# KiCad board msf-owl-clock.kicad_pcb (continued)
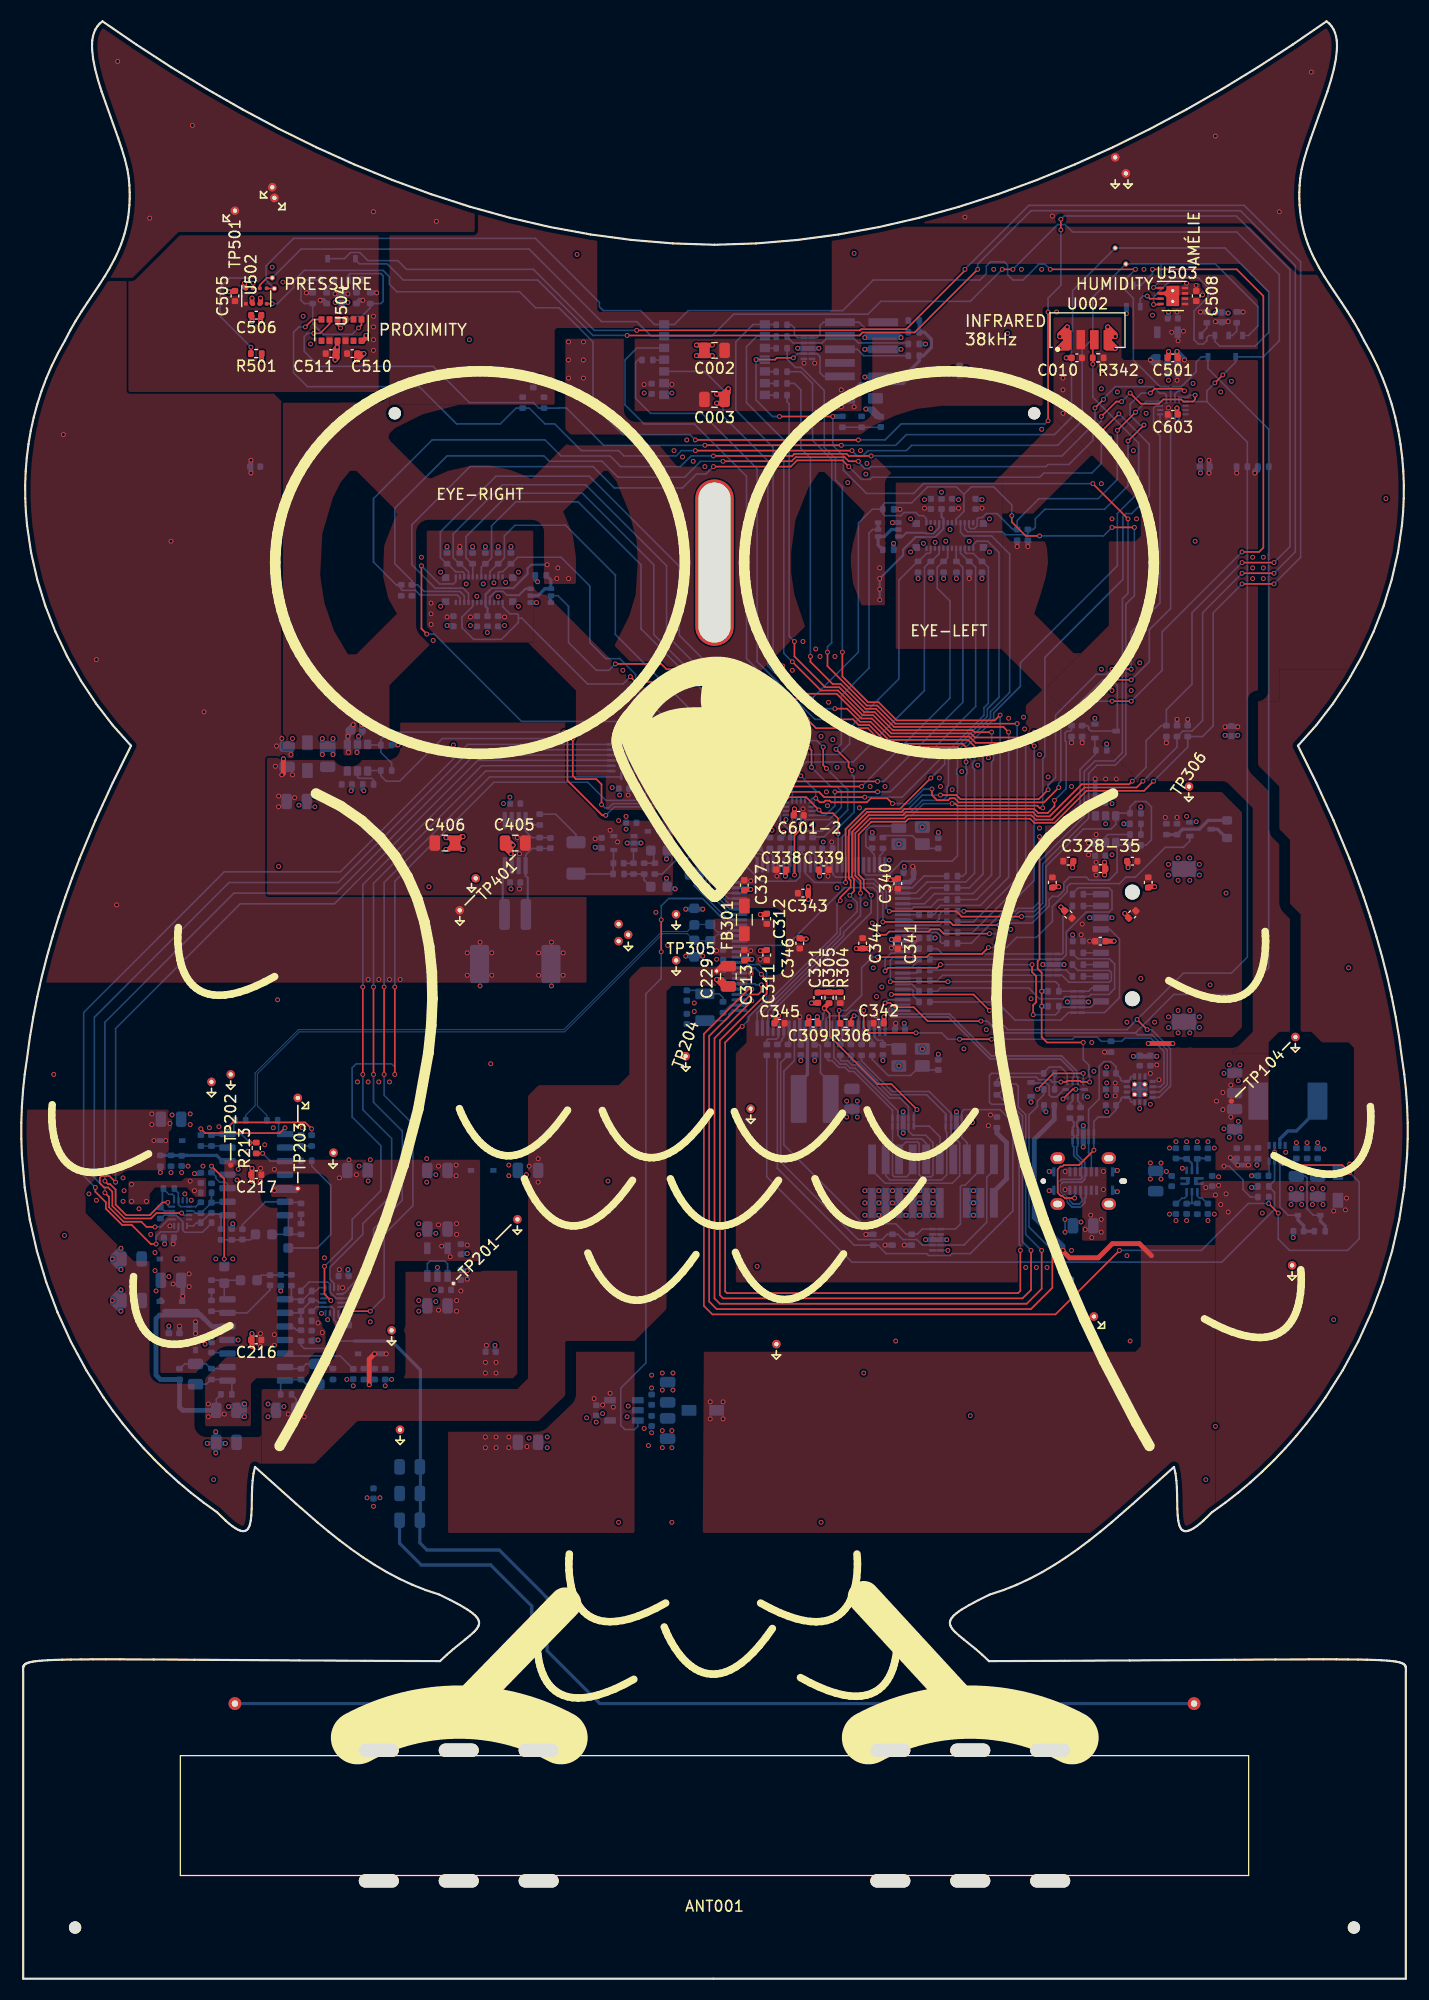
[diagram p0: board, top side]
## Placement (name value [footprint] x y rotation side) (continued)
R301  10kΩ  [nominal-0402-1005]  79.94 69.3 90 bottom
R302  10kΩ  [nominal-0402-1005]  81.74 69.3 270 bottom
R303  10kΩ  [nominal-0402-1005]  83.54 69.3 270 bottom
R304  10kΩ  [nominal-0402-1005]  76.84 92 90 top
R305  1kΩ  [nominal-0402-1005]  75.79 92 270 top
R306  1kΩ  [nominal-0402-1005]  77.34 89.6 180 top
R307  0Ω  [nominal-0402-1005]  80.84 106.5 90 bottom
R308  DNP  [nominal-0402-1005]  79.84 87.1 270 bottom
R309  0Ω  [nominal-0402-1005]  65.84 91.1 90 bottom
R310  33kΩ  [nominal-0402-1005]  101.34 115.2 0 bottom
R311  43Ω  [nominal-0402-1005]  69.94 87.1 90 bottom
R312  43Ω  [nominal-0402-1005]  70.94 87.1 270 bottom
R313  43Ω  [nominal-0402-1005]  71.94 87.1 270 bottom
R314  43Ω  [nominal-0402-1005]  75.64 87.1 270 bottom
R315  43Ω  [nominal-0402-1005]  76.84 87.1 270 bottom
R316  43Ω  [nominal-0402-1005]  77.84 87.1 270 bottom
R317  43Ω  [nominal-0402-1005]  78.84 87.1 270 bottom
R318  1.8kΩ  [nominal-0402-1005]  114.54 141.8 0 bottom
R319  1.8kΩ  [nominal-0402-1005]  116.54 141.8 0 bottom
R320  43Ω  [nominal-0402-1005]  84.74 91.6 0 bottom
R321  43Ω  [nominal-0402-1005]  84.74 92.6 0 bottom
R322  43Ω  [nominal-0402-1005]  84.74 93.6 0 bottom
R323  43Ω  [nominal-0402-1005]  84.74 94.6 0 bottom
R324  43Ω  [nominal-0402-1005]  84.74 95.6 0 bottom
R325  43Ω  [nominal-0402-1005]  84.74 96.6 0 bottom
R326  33kΩ  [nominal-0402-1005]  96.84 92.6 0 bottom
R327  33kΩ  [nominal-0402-1005]  96.84 91.2 0 bottom
R328  330Ω  [nominal-0402-1005]  87.34 97.1 0 bottom
R329  330Ω  [nominal-0402-1005]  87.34 98.1 0 bottom
R330  43Ω  [nominal-0402-1005]  87.34 99.1 0 bottom
R331  43Ω  [nominal-0402-1005]  84.74 99.8 0 bottom
R332  43Ω  [nominal-0402-1005]  87.34 101.2 0 bottom
R333  43Ω  [nominal-0402-1005]  87.34 102.3 0 bottom
R334  43Ω  [nominal-0402-1005]  87.34 103.4 0 bottom
R335  41.2Ω  [nominal-0402-1005]  67.24 106.5 270 bottom
R336  41.2Ω  [nominal-0402-1005]  68.24 106.5 270 bottom
R337  41.2Ω  [nominal-0402-1005]  69.24 106.5 270 bottom
R338  41.2Ω  [nominal-0402-1005]  70.24 106.5 270 bottom
R339  41.2Ω  [nominal-0402-1005]  72.24 106.5 270 bottom
R340  1.8kΩ  [nominal-0402-1005]  73.24 106.5 270 bottom
R341  1.8kΩ  [nominal-0402-1005]  74.24 106.5 270 bottom
R342  33kΩ  [nominal-0402-1005]  101.04 152 180 top
R343  33kΩ  [nominal-0402-1005]  104.54 109.3 0 bottom
R344  33kΩ  [nominal-0402-1005]  104.54 106.3 180 bottom
R345  5.1kΩ  [nominal-0402-1005]  104.54 107.3 0 bottom
R346  39kΩ  [nominal-0402-1005]  104.54 108.3 180 bottom
R401  33kΩ  [nominal-0402-1005]  34.24 115.7 0 bottom
R402  33kΩ  [nominal-0402-1005]  34.24 113.3 180 bottom
R403  68kΩ  [nominal-0402-1005]  32.54 112 180 bottom
R404  19.6kΩ  [nominal-0402-1005]  59.44 104.1 90 bottom
R405  5.1kΩ  [nominal-0402-1005]  58.44 104.1 270 bottom
R406  16kΩ  [nominal-0402-1005]  57.44 104.1 90 bottom
R407  39kΩ  [nominal-0402-1005]  56.04 103.6 180 bottom
R408  19.6kΩ  [nominal-0402-1005]  48.64 108.7 270 bottom
R409  19.6kΩ  [nominal-0402-1005]  48.64 106.5 270 bottom
R501  33kΩ  [nominal-0402-1005]  22.04 152.4 180 top
R502  33kΩ  [nominal-0402-1005]  107.44 117 90 bottom
R503  100Ω  [nominal-0402-1005]  111.24 155.8 270 bottom
R504  100Ω  [nominal-0402-1005]  114.04 155.8 270 bottom
R505  1.8kΩ  [nominal-0402-1005]  49.04 147.8 270 bottom
R506  1.8kΩ  [nominal-0402-1005]  47.04 147.8 270 bottom
R507  33kΩ  [nominal-0402-1005]  98.54 117 90 bottom
R508  33kΩ  [nominal-0402-1005]  108.44 117 270 bottom
R509  33kΩ  [nominal-0402-1005]  109.44 117 270 bottom
R510  100Ω  [nominal-0402-1005]  31.44 157.6 90 bottom
R511  100Ω  [nominal-0402-1005]  28.64 157.6 90 bottom
R512  33kΩ  [nominal-0402-1005]  32.74 157.6 270 bottom
R513  33kΩ  [nominal-0402-1005]  27.34 157.6 270 bottom
R601  33kΩ  [nominal-0402-1005]  99.54 117 90 bottom
R602  33kΩ  [nominal-0402-1005]  42.34 133.2 90 bottom
R603  33kΩ  [nominal-0402-1005]  87.74 132.4 270 bottom
R604  33kΩ  [nominal-0402-1005]  45.94 133.2 90 bottom
R605  33kΩ  [nominal-0402-1005]  84.14 132.4 270 bottom
R606  33kΩ  [nominal-0402-1005]  39.94 133.2 90 bottom
R607  33kΩ  [nominal-0402-1005]  90.14 132.4 270 bottom
R608  33kΩ  [nominal-0402-1005]  43.54 133.2 90 bottom
R609  33kΩ  [nominal-0402-1005]  86.54 132.4 270 bottom
R610  33kΩ  [nominal-0402-1005]  41.14 133.2 270 bottom
R611  33kΩ  [nominal-0402-1005]  88.94 132.4 90 bottom
R612  33kΩ  [nominal-0402-1005]  44.74 133.2 90 bottom
R613  33kΩ  [nominal-0402-1005]  85.34 132.4 270 bottom
R614  33kΩ  [nominal-0402-1005]  81.34 137.8 180 bottom
R615  33kΩ  [nominal-0402-1005]  36.64 130.2 90 bottom
R616  33kΩ  [nominal-0402-1005]  94.44 135.4 90 bottom
R617  33kΩ  [nominal-0402-1005]  35.64 130.2 90 bottom
R618  33kΩ  [nominal-0402-1005]  93.44 135.4 90 bottom
R619  18Ω  [nominal-0402-1005]  81.34 134 0 bottom
R620  18Ω  [nominal-0402-1005]  48.74 131.6 180 bottom
REF**  -  [tooling-hole]  125.04 4.8 0 top
REF**#2  -  [tooling-hole]  5.04 4.8 0 top
REF**#3  -  [tooling-hole]  35.04 146.8 0 top
REF**#4  -  [tooling-hole]  95.04 146.8 0 top
SPK001  Header (Molex 502443-0270)  [502443-0270]  46.34 97.3 0 bottom
TALON-LEFT  -  [talon]  89.04 15.3 0 top
TALON-RIGHT  -  [talon]  41.04 15.3 0 top
TFT-RIBBON-HOLE  -  [unnamed]  65.04 132.8 0 top
TP101  ~  [testpoint-SP3050A-with-short-gnd]  100.64 70.6 270 bottom
TP102  ~  [testpoint-SP3050A-with-short-gnd]  64.84 53.5 45 bottom
TP103  ~  [testpoint-SP3050A-with-short-gnd]  119.24 75.4 270 bottom
TP104  ~  [testpoint-SP3050A-with-short-gnd]  113.54 82.3 45 top
TP201  ~  [th-testpoint-0.5mm-with-short-gnd]  40.54 65.2 45 top
TP202  ~  [testpoint-SP3050A-with-short-gnd]  19.64 76.3 90 top
TP203  ~  [th-testpoint-0.5mm-with-short-gnd]  25.94 74.1 90 top
TP204  ~  [th-testpoint-0.5mm-with-short-gnd]  65.24 94.5 250 top
TP205  ~  [testpoint-SP3050A-with-short-gnd]  64.54 97.3 180 bottom
TP206  ~  [testpoint-SP3050A-with-short-gnd]  64.54 98.9 180 bottom
TP207  ~  [testpoint-SP3050A-with-short-gnd]  26.24 60.8 0 bottom
TP208  ~  [testpoint-SP3050A-with-short-gnd]  17.84 75.6 90 bottom
TP209  ~  [testpoint-SP3050A-with-short-gnd]  25.04 70.1 60 bottom
TP210  ~  [testpoint-SP3050A-with-short-gnd]  35.53 42.99 90 bottom
TP301  ~  [testpoint-SP3050A-with-short-gnd#2]  67.44 93.8 135 bottom
TP302  ~  [th-testpoint-0.5mm-with-short-gnd]  23.74 158.5 90 bottom
TP303  ~  [th-testpoint-0.5mm-with-short-gnd]  23.54 159.5 90 bottom
TP304  ~  [testpoint-SP3050A-with-short-gnd]  74.44 87.6 225 bottom
TP305  ~  [testpoint-SP3050A-with-short-gnd]  69.94 95.5 180 top
TP306  ~  [testpoint-SP3050A-with-short-gnd]  104.74 104.8 55.4 top
TP401  ~  [testpoint-SP3050A-with-short-gnd]  47.14 106.2 225 top
TP402  ~  [testpoint-SP3050A-with-short-gnd]  62.96 103.91 225 bottom
TP403  ~  [testpoint-SP3050A-with-short-gnd]  48.64 109.2 225 bottom
TP501  ~  [testpoint-SP3050A-with-short-gnd]  20.04 157.3 90 top
TP502  ~  [th-testpoint-0.5mm-with-short-gnd]  102.64 162.3 90 bottom
TP503  ~  [th-testpoint-0.5mm-with-short-gnd]  103.64 160.8 90 bottom
U001  -  [BC805M]  65.04 154.6 180 bottom
U002  TSOP75338TT  [TSOP7????TT]  100.04 154.6 0 top
U101  MP5016HGQH  [QFN10-1.5x2.0mm-0.5mm]  109.84 74.8 0 bottom
U102  BQ24392RSER  [UQFN10-1.5x2.0mm-0.5mm]  98.89 83.4 270 bottom
U103  FUSB302BMPX  [WQFN14-2.5x2.5mm-0.5mm-expad-1.45x1.45mm-thermvias]  104.94 83.4 270 bottom
U104  TPS628512DRLR  [SOT583]  117.84 77.4 90 bottom
U201  TPS7A2042PDBVR  [TPS7A20??PDBVR]  56.54 53.3 180 bottom
U202  TPS7A2036PDBVR  [TPS7A20??PDBVR]  39.04 67.2 90 bottom
U203  MCP6499  [SOIC14-3.9x8.65mm-1.27mm]  22.04 59.9 180 bottom
U204  MCP6499  [SOIC14-3.9x8.65mm-1.27mm]  22.04 75.4 180 bottom
U205  74HC595BQ  [DHVQFN16-2.5x3.5mm-0.5mm-expad-2x1mm]  56.54 114.5 0 bottom
U206  TMUX1511RSV  [UQFN16-1.8x2.6mm-0.4mm]  29.14 63.6 180 bottom
U207  TMUX1511RSV  [UQFN16-1.8x2.6mm-0.4mm]  14.94 71.8 0 bottom
U301  PIC32CX1025SG41100-I/E5X  [TQFP100-14x14mm-0.5mm]  75.04 96.8 0 bottom
U302  AP22653AW6  [SOT26]  101.74 107.8 270 bottom
U401  AP22653AW6  [SOT26]  31.54 114.5 270 bottom
U402  MCP6486U  [SOT353]  56.54 106.5 180 bottom
U403  IS31AP4991A-SLS2  [MSOP8-3x3mm-0.65mm]  46.34 106.5 270 bottom
U501  TPS7A2028PDBVR  [TPS7A20??PDBVR]  107.54 153.1 90 bottom
U502  DPS310XTSA1  [PG-VLGA-8-1-2.0x2.5mm-0.65mm]  22.04 157.8 90 top
U503  HDC3022  [WSON8-2.5x2.5mm-0.5mm-expad-1.2x1.9mm-thermvias]  108.04 157.8 0 top
U504  VL6180V1NR1  [OPTICAL-LGA12-2.8x4.8mm-0.75mm]  30.04 154.6 270 top
U601  TMUX1574RSV  [UQFN16-1.8x2.6mm-0.4mm]  68.54 109.7 90 bottom
U602  TMUX1574RSV  [UQFN16-1.8x2.6mm-0.4mm]  72.94 109.7 90 bottom
U603  TMUX1574RSV  [UQFN16-1.8x2.6mm-0.4mm]  108.04 147.3 270 bottom
WING-LEFT  -  [left-wing]  98.64 111.6 0 top
WING-RIGHT  -  [right-wing]  31.44 111.6 0 top
XTAL301  24MHz  [3225-1-3]  83.44 107.2 0 bottom
XTAL302  8-48MHz  [3225-1-3]  83.44 86.4 0 bottom
XTAL303  32.768kHz  [3215]  64.14 91.1 90 bottom

## Library data of the parts
ANT001 = -: Description: Ferrite Rod Antenna for the MSF Owl Clock; Core: Ferrite; Manufacturer: Core Connector Co; ManufacturerPartNumber: Rapid Electronics 88-3098; Notes: Resonate with C001-3 (about 5.523nF) for 60kHz; Windings: 164 turns of SWG27 / 80% coverage / no former
C001 C004 C005 C006 C007 C008 C009 C010 C109 C110 C112 C113 C118-C121 C203-C206 C209-C211 C216-C218 C224 C231-C234 C239 C243 C244 C301-C307 C309-C314 C322 C326-C350 C401 C402 C413 C414 C416 C417 C501-C511 C601-C605 = -: Description: Unpolarised Capacitor; Dielectric: MLCC; Label: 4.7μF±20% 10V X5R; Manufacturer: Samsung; ManufacturerPartNumber: CL05A475MP5NRNC; Package: 0402; TemperatureCoefficient: X5R; Tolerance: ±20%; VoltageRating: 10V
C002 C003 C116 C117 C123 C124 C201 C202 C207 C208 C212-C215 C220-C223 C226-C229 C308 C403-C407 = -: Description: Unpolarised Capacitor; Dielectric: MLCC; Label: 22μF±20% 10V X5R; Manufacturer: Samsung; ManufacturerPartNumber: CL21A226MPQNNN; Package: 0805; TemperatureCoefficient: X5R; Tolerance: ±20%; VoltageRating: 10V
C011 C107 C321 = -: Description: Unpolarised Capacitor; Dielectric: MLCC; Label: 100nF±20% 10V X5R; Manufacturer: Samsung; Manufacturer2: Samsung; Manufacturer2PartNumber: CL05A104KA5NNNC; ManufacturerPartNumber: CL05B104KA5NNNC; Package: 0402; TemperatureCoefficient: X5R; Tolerance: ±20%; VoltageRating: 10V
C012 C013 C014 = -: Description: Unpolarised Capacitor; Dielectric: MLCC; Package: 0805; TemperatureCoefficient: C0G; VoltageRating: 10V
C101 C102 = -: Description: Unpolarised Capacitor; Dielectric: MLCC; Label: 4.7μF±10% 25V X5R; Manufacturer: Samsung; Manufacturer2: Murata; Manufacturer2PartNumber: GRM219R61E475KA73D; ManufacturerPartNumber: CL21A475KAQNNNE; Package: 0805; TemperatureCoefficient: X5R; Tolerance: ±10%; VoltageRating: 25V
C103 C104 C111 = -: Description: Unpolarised Capacitor; Dielectric: MLCC; Label: 100nF±20% 25V X5R; Manufacturer: Samsung; Manufacturer2: Samsung; Manufacturer2PartNumber: CL05A104KA5NNNC; ManufacturerPartNumber: CL05B104KA5NNNC; Package: 0402; TemperatureCoefficient: X5R; Tolerance: ±20%; VoltageRating: 25V
C105 = -: Description: Unpolarised Capacitor; Dielectric: MLCC; Label: 39pF±10% 10V X5R; Package: 0402; TemperatureCoefficient: X5R; Tolerance: ±10%; VoltageRating: 10V
C106 = -: Description: Unpolarised Capacitor; Dielectric: MLCC; Label: 39pF±10% 10V X5R; Manufacturer: Yageo; Manufacturer2: Walsin; Manufacturer2PartNumber: 0402N390J500CT; ManufacturerPartNumber: CC0402JRNPO9BN390; Package: 0402; TemperatureCoefficient: X5R; Tolerance: ±10%; VoltageRating: 10V
C108 = -: Description: Unpolarised Capacitor; Dielectric: MLCC; Label: 100pF±10% 10V X5R; Manufacturer: Cal-Chip; Manufacturer2: Yageo; Manufacturer2PartNumber: CC0402JRNPO9BN101; ManufacturerPartNumber: GMC04CG101G50NT; Package: 0402; TemperatureCoefficient: X5R; Tolerance: ±10%; VoltageRating: 10V
C114 C115 = -: Description: Unpolarised Capacitor; Dielectric: MLCC; Label: 470pF±10% 25V C0G; Manufacturer: Murata; Manufacturer2: Murata; Manufacturer2PartNumber: GRT1555C1H471FA02D; ManufacturerPartNumber: GCM1555C1H471FA16D; Package: 0402; TemperatureCoefficient: C0G; Tolerance: ±10%; VoltageRating: 25V
C122 = -: Description: Unpolarised Capacitor; Dielectric: MLCC; Label: 47nF±10% 10V X5R; Manufacturer: Vishay; Manufacturer2: TDK; Manufacturer2PartNumber: CGA2B3X7R1H473K050BB; ManufacturerPartNumber: VJ0402Y473KXQCW1BC; Package: 0402; TemperatureCoefficient: X5R; Tolerance: ±10%; VoltageRating: 10V
C127 = -: Description: Unpolarised Capacitor; Dielectric: MLCC; Label: 10pF±5% 10V C0G; Manufacturer: Würth Elektronik; Manufacturer2: Kemet; Manufacturer2PartNumber: C0402C100J3GAC7867; ManufacturerPartNumber: 885012005007; Package: 0402; TemperatureCoefficient: C0G; Tolerance: ±5%; VoltageRating: 10V
C219 C225 = -: Description: Unpolarised Capacitor; Dielectric: MLCC; Label: ?μF±20% 10V X5R; Package: 0805; TemperatureCoefficient: X5R; Tolerance: ±20%; VoltageRating: 10V
C230 C238 C409 C410 = -: Description: Unpolarised Capacitor; Dielectric: MLCC; Label: 4.7nF±5% 10V C0G; Manufacturer: Yageo; Manufacturer2: Murata; Manufacturer2PartNumber: GCM1885C1H472GA16D; ManufacturerPartNumber: CC0603FRNPO9BN472; Package: 0603; TemperatureCoefficient: C0G; Tolerance: ±5%; VoltageRating: 10V
C235 C240 C415 = -: Description: Unpolarised Capacitor; Dielectric: MLCC; Label: ??pF±5% 10V C0G; Package: 0402; TemperatureCoefficient: C0G; Tolerance: ±5%; VoltageRating: 10V
C236 C241 C324 = -: Description: Unpolarised Capacitor; Dielectric: MLCC; Label: 4.7nF±2% 10V C0G; Manufacturer: Yageo; Manufacturer2: Murata; Manufacturer2PartNumber: GCM1885C1H472GA16D; ManufacturerPartNumber: CC0603FRNPO9BN472; Package: 0603; TemperatureCoefficient: C0G; Tolerance: ±2%; VoltageRating: 10V
C237 C242 = -: Description: Unpolarised Capacitor; Dielectric: MLCC; Label: 470pF±2% 10V C0G; Manufacturer: Murata; Manufacturer2: Murata; Manufacturer2PartNumber: GRT1555C1H471FA02D; ManufacturerPartNumber: GCM1555C1H471FA16D; Package: 0402; TemperatureCoefficient: C0G; Tolerance: ±2%; VoltageRating: 10V
C315 C316 = -: Description: Unpolarised Capacitor; Dielectric: MLCC; Label: 13pF±1% 10V C0G; Manufacturer: Murata; Manufacturer2: Yageo; Manufacturer2PartNumber: CQ0402FRNPO9BN130; ManufacturerPartNumber: GJM1555C1H130FB01D; Package: 0402; TemperatureCoefficient: C0G; Tolerance: ±1%; VoltageRating: 10V
C317 C318 = -: Description: Unpolarised Capacitor; Dielectric: MLCC; Label: ??pF±1% 10V C0G; Package: 0402; TemperatureCoefficient: C0G; Tolerance: ±1%; VoltageRating: 10V
C319 C320 = -: Description: Unpolarised Capacitor; Dielectric: MLCC; Label: 16pF±1% 10V C0G; Manufacturer: Murata; Manufacturer2: Yageo; Manufacturer2PartNumber: CC0402FRNPO9BN160; ManufacturerPartNumber: GCM1555C1H160FA16D; Package: 0402; TemperatureCoefficient: C0G; Tolerance: ±1%; VoltageRating: 10V
C323 C325 = -: Description: Unpolarised Capacitor; Dielectric: MLCC; Label: ??nF±2% 10V C0G; Package: 0603; TemperatureCoefficient: C0G; Tolerance: ±2%; VoltageRating: 10V
C408 C412 = -: Description: Unpolarised Capacitor; Dielectric: MLCC; Label: 100nF±5% 10V C0G; Manufacturer: Murata; Manufacturer2: Murata; Manufacturer2PartNumber: GRM3195C2A104JA01D; ManufacturerPartNumber: GRM3195C1H104JA05D; Package: 1206; TemperatureCoefficient: C0G; Tolerance: ±5%; VoltageRating: 10V
C411 = -: Description: Unpolarised Capacitor; Dielectric: MLCC; Label: 22pF±5% 10V C0G; Manufacturer: Murata; Manufacturer2: Murata; Manufacturer2PartNumber: GCM1555C1H220GA16D; ManufacturerPartNumber: GCM1555C1H220FA16D; Package: 0402; TemperatureCoefficient: C0G; Tolerance: ±5%; VoltageRating: 10V
CONN001 = -: Description: USB 2.0 Type-C Connector; Manufacturer: Amphenol
CONN002 = -: Description: Micro SD Card Connector with Card Detection and Write Protection Pins; Manufacturer: CUI Devices
CONN003 = -: Description: 10-Pin Debug Header for ARM Cortex-M Series Processors; Manufacturer: Samtec; ManufacturerPartNumber: FTSH-105-01-L-DV-007-K; Package: FTSH-105-01-L-DV-007-K
CONN004 = -: Description: 20-Pin Debug Header (with ETM) for ARM Cortex-M Series Processors; Manufacturer: Samtec; ManufacturerPartNumber: FTSH-110-01-F-DV-007-K; Package: FTSH-110-01-F-DV-007-K
CONN005 CONN006 = -: Description: Circular TFT Display (GC9C01) Header - 1.32" 360x360 (Reversed Pinout); Manufacturer: EastRising; ManufacturerPartNumber: OK-14GF024-04; Package: OK-14GF024-04
D001 D002 D003 D004 D005 D006 D007 = -: Description: 4 Channel Low-Capacitance Unidirectional Transient Voltage Suppression Diode Array; BreakdownVoltage: 7V; Capacitance: 0.45pF @ 1MHz; ClampingVoltage: 6V; Label: V_{RWM}=5V V_{CL}=6V V_{BR}=7V C_{d}=0.45pF; Manufacturer: Diodes Incorporated; Package: U-DFN2510-10; PeakCurrent: 3.5A; ReverseStandoffVoltage: 5V; Type: Zener
D101 D201-D206 D401 = -: Description: Schottky Diode; Manufacturer: Evvo Semi; Manufacturer2: Anbon Semiconductor; Package: SOD323
FB001 FB201 FB301 = -: Description: Ferrite Bead - 2A, 90mΩ @ DC, 600Ω @ 100MHz; DCR: 90mΩ; I_{MAX}: 2A; Impedance: 600Ω @ 100MHz; Label: 2A, 90mΩ @ DC, 600Ω±25% @ 100MHz; Manufacturer: Walsin Technology; Package: WLBD2012; Tolerance: ±25%
FB101 FB401 = -: Description: Ferrite Bead - 5A, 20mΩ @ DC, 120Ω @ 100MHz; DCR: 20mΩ; I_{MAX}: 5A; Impedance: 120Ω @ 100MHz; Label: 5A, 20mΩ @ DC, 120Ω±25% @ 100MHz; Manufacturer: Walsin Technology; Package: WLBD2012; Tolerance: ±25%
L101 = -: Description: 680nH / 15.5A Shielded Power Inductor with Ferrite Core; Core: Ferrite; DCR: 5.5mΩ±20%; I_{RMS}: 15.5A; I_{SAT}: 25A; Label: 15.5A_{RMS} / 25A_{SAT}, 5.5mΩ±20% @ DC; Manufacturer: Kyocera; ManufacturerPartNumber: LMLP07A7MR68DTAS; Package: 07A7; Tolerance: ±20%
L301 = -: Description: Inductor - 100μH; Core: Air; DCR: 150mΩ±20%; I_{RMS}: 1.5A; I_{SAT}: 1.5A; Label: 1.5A_{RMS} / 1.5A_{SAT}, 150mΩ±20% @ DC; Manufacturer: Tai Tech; ManufacturerPartNumber: HPC4018NF-100M; Package: HPC4018NF; Tolerance: ±20%
LED001 = -: Description: Light Emitting Diode (LED); Colour: Red; I_{F}: 20mA_{max}; Manufacturer: Harvatek; Manufacturer2: Wurth Elektronik; Manufacturer2PartNumber: 150060RS75000; ManufacturerPartNumber: B1931USD-20D000814U1930; Package: 0603; V_{F}: 2V_{typ}
Q101 Q301 Q501-Q505 Q601 = -: Description: N-Channel MOSFET Transistor with GSD Pin Ordering; Manufacturer: Nexperia; Package: SOT323
Q602 Q603 = -: Description: BC847BS Dual BJT NPN Transistor in a SOT363 Package; Manufacturer: Diodes Incorporated; ManufacturerPartNumber: BC847BS-7-F; Package: SOT363
R001 R015 R328 R329 = -: Description: Resistor; Construction: Thick Film; Label: 330Ω±1% 0.0625W; Manufacturer: Walsin; Manufacturer2: Yageo; Manufacturer2PartNumber: RC0402FR-07330RL; ManufacturerPartNumber: WR04X3300FTL; Package: 0402; PowerRating: 0.0625W; TemperatureCoefficient: ±100ppm; Tolerance: ±1%
R002 R003 R006 R012 R301-R304 = -: Description: Resistor; Construction: Thick Film; Label: 10kΩ±1% 0.0625W; Manufacturer: Walsin; Manufacturer2: Yageo; Manufacturer2PartNumber: RC0402FR-0710KL; ManufacturerPartNumber: WR04X1002FTL; Package: 0402; PowerRating: 0.0625W; TemperatureCoefficient: ±100ppm; Tolerance: ±1%
R004 R005 R007 R008 R009 R010 R011 R018 R019 R020 R021 R022 R311-R317 R320-R325 R330-R334 = -: Description: Resistor; Construction: Thick Film; Label: 43Ω±1% 0.0625W; Manufacturer: Yageo; Manufacturer2: Bourns; Manufacturer2PartNumber: CR0402-FX-43R0GLF; ManufacturerPartNumber: RC0402FR-0743RL; Package: 0402; PowerRating: 0.0625W; TemperatureCoefficient: ±100ppm; Tolerance: ±1%
R013 R014 R103 R305 R306 = -: Description: Resistor; Construction: Thick Film; Label: 1kΩ±1% 0.0625W; Manufacturer: Walsin; Manufacturer2: Yageo; Manufacturer2PartNumber: RC0402FR-071KL; ManufacturerPartNumber: WR04X1001FTL; Package: 0402; PowerRating: 0.0625W; TemperatureCoefficient: ±100ppm; Tolerance: ±1%
R016 R017 = -: Description: Resistor; Construction: Thick Film; Label: 390Ω±1% 0.0625W; Manufacturer: Yageo; Manufacturer2: Yageo; Manufacturer2PartNumber: AC0402FR-07390RL; ManufacturerPartNumber: RC0402FR-07390RL; Package: 0402; PowerRating: 0.0625W; TemperatureCoefficient: ±100ppm; Tolerance: ±1%
R101 = -: Description: Resistor; Construction: Thick Film; Label: 300kΩ±1% 0.0625W; Manufacturer: Yageo; Manufacturer2: Yageo; Manufacturer2PartNumber: AC0402FR-07300KL; ManufacturerPartNumber: RC0402FR-07300KL; Package: 0402; PowerRating: 0.0625W; TemperatureCoefficient: ±100ppm; Tolerance: ±1%
R102 R307 R309 = -: Description: Resistor; Construction: Thick Film; Label: 0Ω±1% 0.0625W; Manufacturer: Yageo; Manufacturer2: Walsin; Manufacturer2PartNumber: WR04X000PTL; ManufacturerPartNumber: RC0402FR-070RL; Package: 0402; PowerRating: 0.0625W; TemperatureCoefficient: ±100ppm; Tolerance: ±1%
R104-R106 R110 R111 R222-R224 R310 R326 R327 R342-R344 R401 R402 R501 R502 R507-R509 R512 R513 R601-R618 = -: Description: Resistor; Construction: Thick Film; Label: 33kΩ±1% 0.0625W; Manufacturer: Walsin; Manufacturer2: Yageo; Manufacturer2PartNumber: RC0402FR-0733KL; ManufacturerPartNumber: WR04X3302FTL; Package: 0402; PowerRating: 0.0625W; TemperatureCoefficient: ±100ppm; Tolerance: ±1%
R107 R108 = -: Description: Resistor; Construction: Thick Film; Label: 2.2Ω±1% 0.0625W; Manufacturer: Vishay; Manufacturer2: Vishay; Manufacturer2PartNumber: CRCW04022R20FKEDC; ManufacturerPartNumber: RMCF0402FT2R20; Package: 0402; PowerRating: 0.0625W; TemperatureCoefficient: ±100ppm; Tolerance: ±1%
R109 R114 = -: Description: Resistor; Construction: Thick Film; Label: 3.3kΩ±1% 0.0625W; Manufacturer: Walsin; Manufacturer2: Yageo; Manufacturer2PartNumber: RC0402FR-073K3L; ManufacturerPartNumber: CRCW04022R20FKED; Package: 0402; PowerRating: 0.0625W; TemperatureCoefficient: ±100ppm; Tolerance: ±1%
R112 = -: Description: Resistor; Construction: Thick Film; Label: 88.7kΩ±1% 0.0625W; Manufacturer: Walsin; Manufacturer2: Yageo; Manufacturer2PartNumber: RC0402FR-0788K7L; ManufacturerPartNumber: WR04X8872FTL; Package: 0402; PowerRating: 0.0625W; TemperatureCoefficient: ±100ppm; Tolerance: ±1%
R113 R404 R408 R409 = -: Description: Resistor; Construction: Thick Film; Label: 19.6kΩ±1% 0.0625W; Manufacturer: Walsin; Manufacturer2: Yageo; Manufacturer2PartNumber: RC0402FR-0719K6L; ManufacturerPartNumber: WR04X1962FTL; Package: 0402; PowerRating: 0.0625W; TemperatureCoefficient: ±100ppm; Tolerance: ±1%
R201 R202 R208 R220 R221 = -: Description: Resistor; Construction: Thin Film; Label: 4.99kΩ±0.1% 0.0625W; Manufacturer: Yageo; Manufacturer2: Vishay; Manufacturer2PartNumber: MCS04020D4991BE000; ManufacturerPartNumber: RT0402BRD074K99L; Package: 0402; PowerRating: 0.0625W; TemperatureCoefficient: ±25ppm; Tolerance: ±0.1%
R203 R209 = -: Description: Resistor; Construction: Thin Film; Label: 0Ω±1% 0.0625W; Manufacturer: Yageo; Manufacturer2: Walsin; Manufacturer2PartNumber: WR04X000PTL; ManufacturerPartNumber: RC0402FR-070RL; Package: 0402; PowerRating: 0.0625W; TemperatureCoefficient: ±100ppm; Tolerance: ±1%
R204 R210 = -: Description: Resistor; Construction: Thin Film; Label: ??kΩ±1% 0.0625W; Package: 0402; PowerRating: 0.0625W; TemperatureCoefficient: ±100ppm; Tolerance: ±1%
R205 R211 = -: Description: Resistor; Construction: Thin Film; Label: 27Ω±1% 0.0625W; Manufacturer: TE Connectivity; ManufacturerPartNumber: CPF0402B27RE1; Package: 0402; PowerRating: 0.0625W; TemperatureCoefficient: ±100ppm; Tolerance: ±1%
R206 R207 = -: Description: Resistor; Construction: Thin Film; Label: 4.3kΩ±0.1% 0.0625W; Manufacturer: Yageo; Manufacturer2: Panasonic; Manufacturer2PartNumber: ERA-2AEB432X; ManufacturerPartNumber: RT0402BRD074K3L; Package: 0402; PowerRating: 0.0625W; TemperatureCoefficient: ±25ppm; Tolerance: ±0.1%
R212 R213 R215-R218 = -: Description: Resistor; Construction: Thin Film; Label: 2.49kΩ±0.1% 0.0625W; Manufacturer: Yageo; Manufacturer2: Panasonic; Manufacturer2PartNumber: ERA-2AEB2491X; ManufacturerPartNumber: RT0402BRD072K49L; Package: 0402; PowerRating: 0.0625W; TemperatureCoefficient: ±25ppm; Tolerance: ±0.1%
R214 R219 = -: Description: Resistor; Construction: Thin Film; Label: 68Ω±0.1% 0.0625W; Manufacturer: Yageo; Manufacturer2: Panasonic; Manufacturer2PartNumber: ERA-2AEB680X; ManufacturerPartNumber: RT0402BRD0768RL; Package: 0402; PowerRating: 0.0625W; TemperatureCoefficient: ±25ppm; Tolerance: ±0.1%
R225 R227 R237 = -: Description: Resistor; Construction: Thin Film; Label: 390Ω±1% 0.0625W; Manufacturer: Yageo; Manufacturer2: Panasonic; Manufacturer2PartNumber: ERA-2AEB391X; ManufacturerPartNumber: RT0402BRD07390RL; Package: 0402; PowerRating: 0.0625W; TemperatureCoefficient: ±100ppm; Tolerance: ±1%
R226 = -: Description: Resistor; Construction: Thin Film; Label: 47Ω±1% 0.0625W; Manufacturer: Panasonic; Manufacturer2: Susumu; Manufacturer2PartNumber: RG1005P-470-B-T5; ManufacturerPartNumber: ERA-2AEB470X; Package: 0402; PowerRating: 0.0625W; TemperatureCoefficient: ±100ppm; Tolerance: ±1%
R228 R238 = -: Description: Resistor; Construction: Thin Film; Label: 1.24kΩ±1% 0.0625W; Manufacturer: Yageo; Manufacturer2: Panasonic; Manufacturer2PartNumber: ERA-2AEB1241X; ManufacturerPartNumber: RT0402BRD071K24L; Package: 0402; PowerRating: 0.0625W; TemperatureCoefficient: ±100ppm; Tolerance: ±1%
R229 R235 R239 = -: Description: Resistor; Construction: Thin Film; Label: 2.49kΩ±1% 0.0625W; Manufacturer: Yageo; Manufacturer2: Panasonic; Manufacturer2PartNumber: ERA-2AEB2491X; ManufacturerPartNumber: RT0402BRD072K49L; Package: 0402; PowerRating: 0.0625W; TemperatureCoefficient: ±100ppm; Tolerance: ±1%
R230 R240 = -: Description: Resistor; Construction: Thin Film; Label: 4.99kΩ±1% 0.0625W; Manufacturer: Yageo; Manufacturer2: Vishay; Manufacturer2PartNumber: MCS04020D4991BE000; ManufacturerPartNumber: RT0402BRD074K99L; Package: 0402; PowerRating: 0.0625W; TemperatureCoefficient: ±100ppm; Tolerance: ±1%
R231 R241 = -: Description: Resistor; Construction: Thin Film; Label: 4.12kΩ±0.1% 0.0625W; Manufacturer: Yageo; Manufacturer2: Panasonic; Manufacturer2PartNumber: ERA-2AEB4121X; ManufacturerPartNumber: RT0402BRD074K12L; Package: 0402; PowerRating: 0.0625W; TemperatureCoefficient: ±25ppm; Tolerance: ±0.1%
R232 R242 = -: Description: Resistor; Construction: Thin Film; Label: 64.9Ω±0.1% 0.0625W; Manufacturer: TE Connectivity; Manufacturer2: TE Connectivity; Manufacturer2PartNumber: CPF0402B64R9E1; ManufacturerPartNumber: RP73PF1E64R9BTD; Package: 0402; PowerRating: 0.0625W; TemperatureCoefficient: ±25ppm; Tolerance: ±0.1%
R233 R243 = -: Description: Resistor; Construction: Thin Film; Label: 49.9kΩ±0.1% 0.0625W; Manufacturer: Yageo; Manufacturer2: Panasonic; Manufacturer2PartNumber: ERA-2AEB4992X; ManufacturerPartNumber: RT0402BRD0749K9L; Package: 0402; PowerRating: 0.0625W; TemperatureCoefficient: ±25ppm; Tolerance: ±0.1%
R234 R244 = -: Description: Resistor; Construction: Thin Film; Label: 0Ω±0.1% 0.0625W; Manufacturer: Yageo; Manufacturer2: Walsin; Manufacturer2PartNumber: WR04X000PTL; ManufacturerPartNumber: RC0402FR-070RL; Package: 0402; PowerRating: 0.0625W; TemperatureCoefficient: ±25ppm; Tolerance: ±0.1%
R236 = -: Description: Resistor; Construction: Thin Film; Label: 100Ω±1% 0.0625W; Manufacturer: Yageo; Manufacturer2: Yageo; Manufacturer2PartNumber: RT0402BRE07100RL; ManufacturerPartNumber: RT0402BRD07100RL; Package: 0402; PowerRating: 0.0625W; TemperatureCoefficient: ±100ppm; Tolerance: ±1%
R308 = -: Description: Resistor; Construction: Thick Film; Label: ??Ω±1% 0.0625W; Package: 0402; PowerRating: 0.0625W; TemperatureCoefficient: ±100ppm; Tolerance: ±1%
R318 R319 R340 R341 R505 R506 = -: Description: Resistor; Construction: Thick Film; Label: 1.8kΩ±1% 0.0625W; Manufacturer: Yageo; Manufacturer2: Walsin; Manufacturer2PartNumber: MR04X1801FTL; ManufacturerPartNumber: RC0402FR-071K8L; Package: 0402; PowerRating: 0.0625W; TemperatureCoefficient: ±100ppm; Tolerance: ±1%
R335-R339 = -: Description: Resistor; Construction: Thick Film; Label: 41.2Ω±1% 0.0625W; Manufacturer: Yageo; Manufacturer2: KOA Speer; Manufacturer2PartNumber: RK73H1ETTP41R2F; ManufacturerPartNumber: RC0402FR-0741R2L; Package: 0402; PowerRating: 0.0625W; TemperatureCoefficient: ±100ppm; Tolerance: ±1%
R345 R405 = -: Description: Resistor; Construction: Thick Film; Label: 5.1kΩ±1% 0.0625W; Manufacturer: Walsin; Manufacturer2: Yageo; Manufacturer2PartNumber: RC0402FR-075K1L; ManufacturerPartNumber: WR04X5101FTL; Package: 0402; PowerRating: 0.0625W; TemperatureCoefficient: ±100ppm; Tolerance: ±1%
R346 R407 = -: Description: Resistor; Construction: Thick Film; Label: 39kΩ±1% 0.0625W; Manufacturer: Yageo; Manufacturer2: Yageo; Manufacturer2PartNumber: AC0402DR-0739KL; ManufacturerPartNumber: RC0402FR-0739KL; Package: 0402; PowerRating: 0.0625W; TemperatureCoefficient: ±100ppm; Tolerance: ±1%
R403 = -: Description: Resistor; Construction: Thick Film; Label: 68kΩ±0.1% 0.0625W; Manufacturer: KOA Speer; Manufacturer2: Yageo; Manufacturer2PartNumber: RT0402BRD0768KL; ManufacturerPartNumber: RN73R1ETTP6802B25; Package: 0402; PowerRating: 0.0625W; TemperatureCoefficient: ±25ppm; Tolerance: ±0.1%
R406 = -: Description: Resistor; Construction: Thick Film; Label: 16kΩ±1% 0.0625W; Manufacturer: Yageo; Manufacturer2: Panasonic; Manufacturer2PartNumber: ERJ2RKF1602X; ManufacturerPartNumber: AC0402DR-0716KL; Package: 0402; PowerRating: 0.0625W; TemperatureCoefficient: ±100ppm; Tolerance: ±1%
R503 R504 R510 R511 = -: Description: Resistor; Construction: Thick Film; Label: 100Ω±1% 0.0625W; Manufacturer: Walsin; Manufacturer2: Yageo; Manufacturer2PartNumber: RC0402FR-07100RL; ManufacturerPartNumber: WR04X1000FTL; Package: 0402; PowerRating: 0.0625W; TemperatureCoefficient: ±100ppm; Tolerance: ±1%
R619 R620 = -: Description: Resistor; Construction: Thick Film; Label: 18Ω±1% 0.0625W; Manufacturer: Yageo; Manufacturer2: Walsin; Manufacturer2PartNumber: WR04X18R0FTL; ManufacturerPartNumber: RC0402FR-0718RL; Package: 0402; PowerRating: 0.0625W; TemperatureCoefficient: ±100ppm; Tolerance: ±1%
SPK001 = -: Description: Speaker; FrequencyRange: 100Hz-20kHz; Manufacturer: Molex; ManufacturerPartNumber: AC0402DR-0716KL; Package: 502443-0270; Rating: 1W (1.5W peak); Resistance: 8Ω
TP101-TP104 TP201-TP210 TP301-TP306 TP401-TP403 TP501-TP503 = -: Description: Test Point for Probe with Ground Lead
U001 = -: Description: Bluetooth Low Energy (BLE 5.2) Module with 10x GPIO and nRF52805 (Cortex M4 64MHz, 192KiB Flash, 24KiB RAM); Manufacturer: Fanstel
U002 = -: Description: Infrared Receiver - Photo Diode, Amplifier and Envelope Detector; Frequency: 38kHz; Manufacturer: Vishay; Package: TSOP753; Wavelength: Infrared (885-1025nm)
U101 = -: Description: 2.7-22V, 0.7-5A Adjustable Current-Limiting Power Switch with Adjustable Ramp Rate, Over-Voltage Protection and Reverse-Voltage MOSFET Driver; Manufacturer: Monolithic Power Solutions; Package: QFN10
U102 = -: Description: Dual SPST USB 2.0 High Speed Switch with USB Battery Charging Specification Revision 1.2 Detection; Manufacturer: Texas Instruments; Package: UQFN10
U103 = -: Description: Programmable Sink / Source / Dual Role USB Type-C Controller with Power Delivery PHY; Manufacturer: ON Semiconductor; Package: WQFN14
U104 = -: Description: 1.8MHz-4.8MHz Step-Down Synchronous Buck Voltage Regulator with Enable, Power-Good, Adjustable Soft-Start and PLL; Manufacturer: Texas Instruments; Package: SOT583
U201 U202 U501 = -: Description: Ultra Low Noise 300mA LDO Fixed Voltage Regulator with Enable; Manufacturer: Texas Instruments; Package: SOT23
